# KiCad board PiComputeModuleBreakout.kicad_pcb
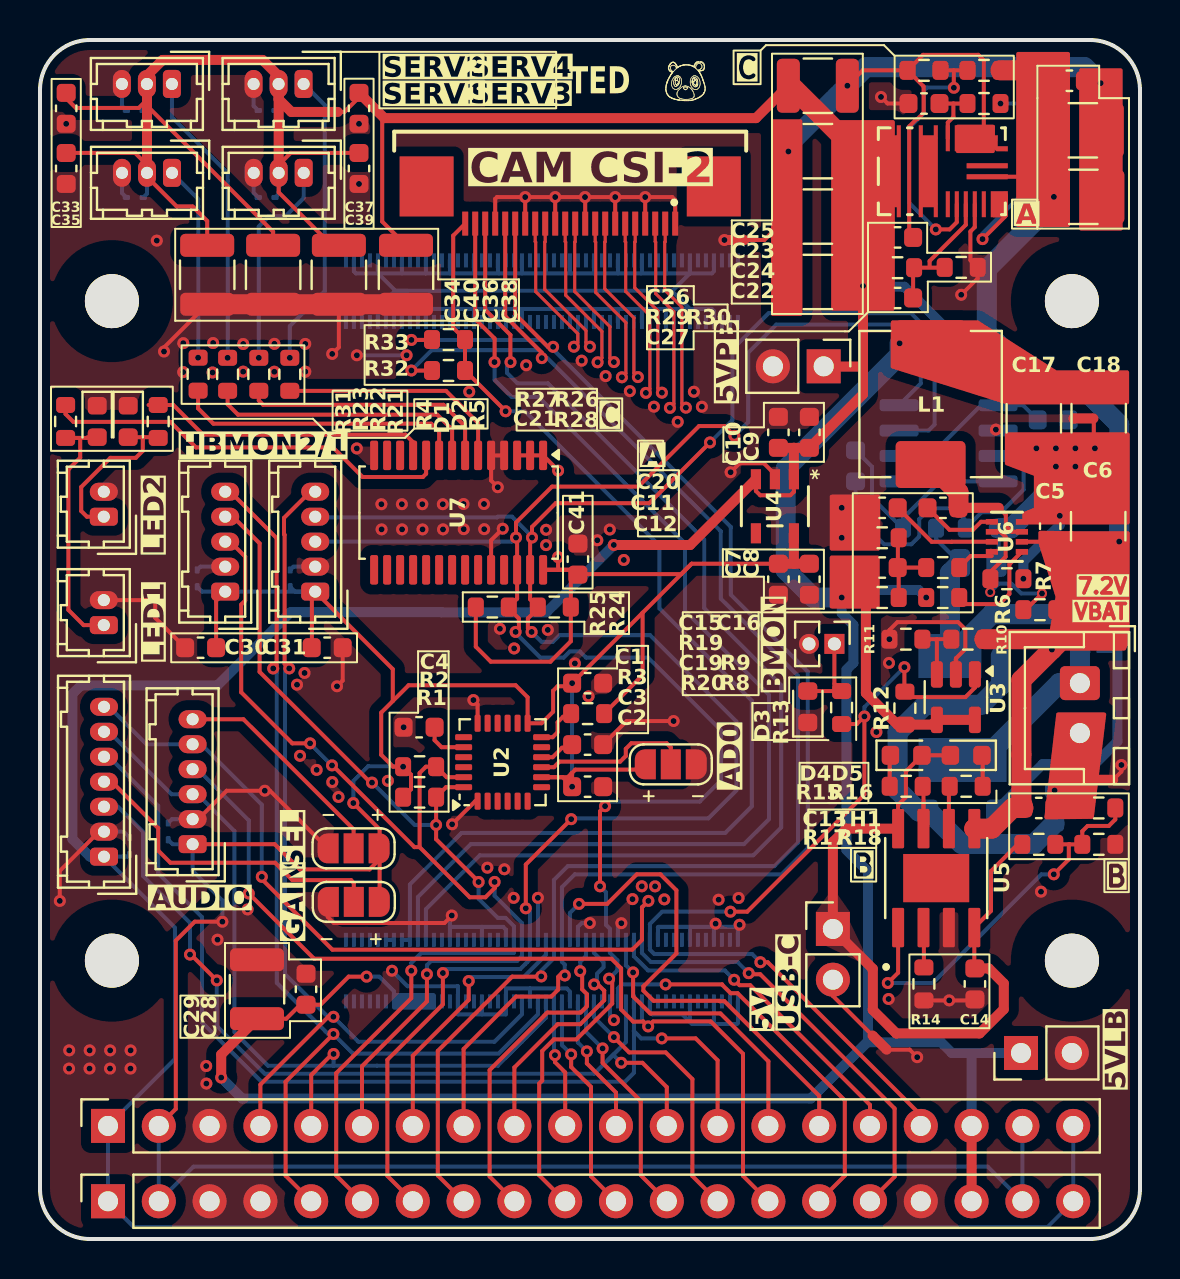
[diagram p0: board, top side]
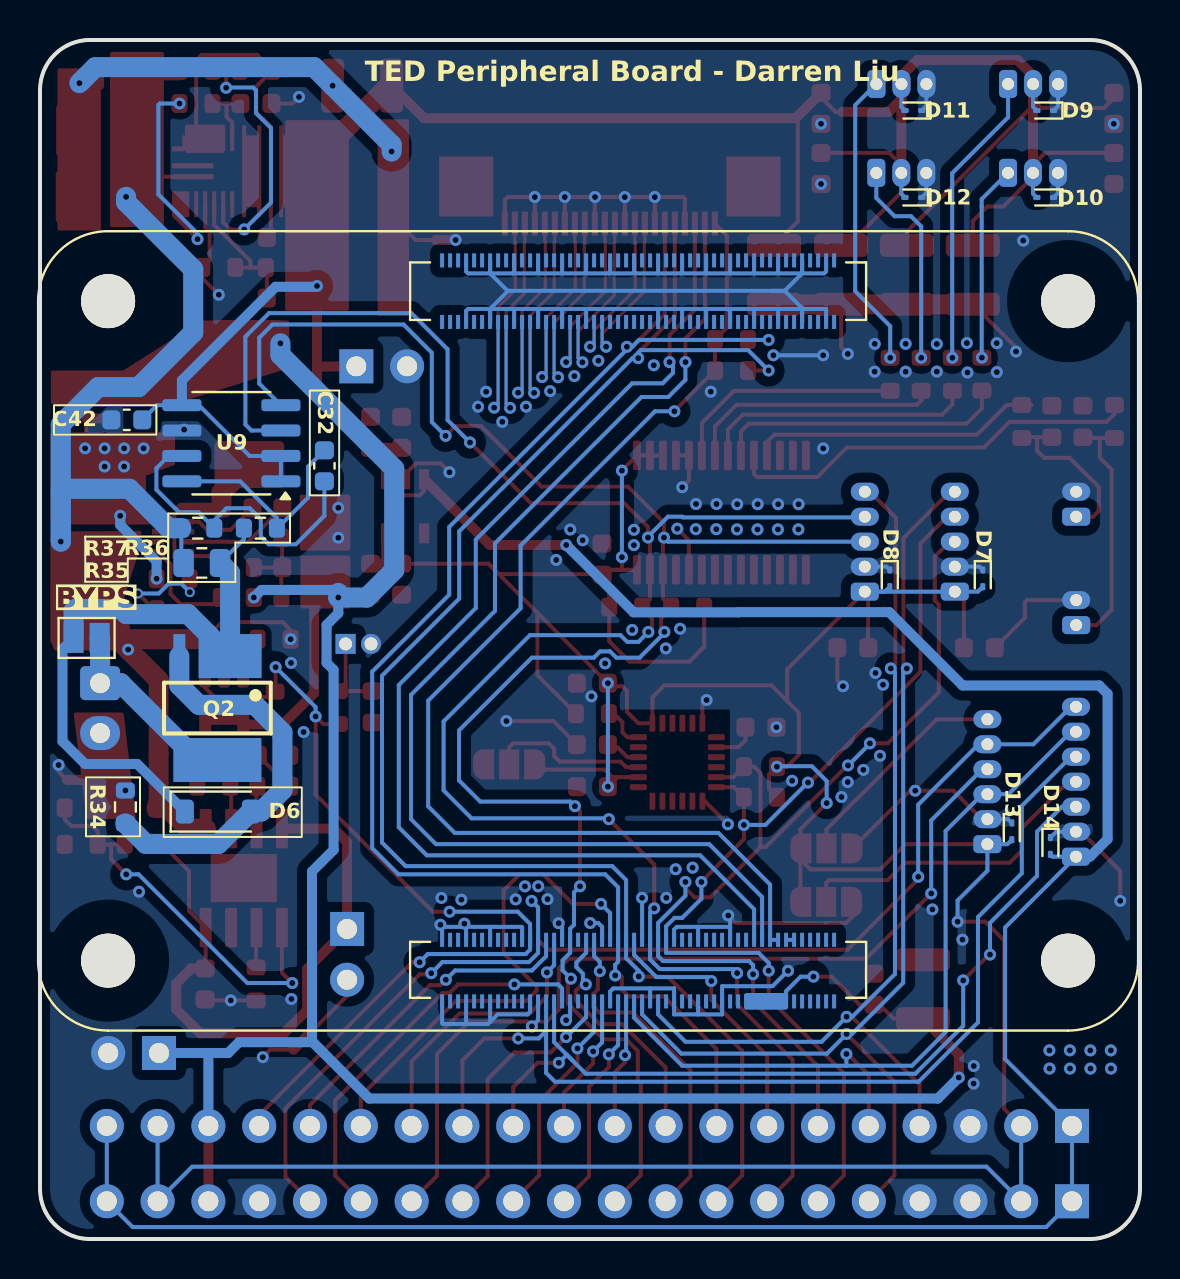
[diagram p1: board, bottom side, seen from below]

Outline 55 x 60 mm; copper layers: Top, In1.Cu, In2.Cu, Bottom. Coordinates in mm from the lower left corner of the outline.
Outline path: 0,57.5 arc(0.73,59.27) 2.5,60 52.5,60 arc(54.27,59.27) 55,57.5 55,2.5 arc(54.27,0.73) 52.5,0 2.5,0 arc(0.73,0.73) 0,2.5 0,57.5
Stack: Top 0.035mm / dielectric 0.1mm FR4 er 4.5 / In1.Cu 0.035mm / dielectric 1.24mm FR4 er 4.5 / In2.Cu 0.035mm / dielectric 0.1mm FR4 er 4.5 / Bottom 0.035mm

## Placement (name value [footprint] x y rotation side)
C1  0.1uF  [C_0603_1608Metric]  27.38 27.81 0 top
C2  0.1uF  [C_0603_1608Metric]  27.38 22.63 180 top
C3  0.1uF  [C_0603_1608Metric]  27.38 24.74 0 top
C4  0.1uF  [C_0603_1608Metric]  18.95 25.61 180 top
C5  0.1uF  [C_0603_1608Metric]  50.51 35.67 90 top
C6  22uF  [C_1210_3225Metric]  52.91 35.67 90 top
C7  1uF  [C_0603_1608Metric]  36.92 33.02 90 top
C8  1uF  [C_0603_1608Metric]  38.47 33.02 90 top
C9  1uF  [C_0603_1608Metric]  38.47 40.37 270 top
C10  1uF  [C_0603_1608Metric]  36.92 40.37 270 top
C11  22uF  [C_1210_3225Metric]  52.14 55.48 0 top
C12  22uF  [C_1210_3225Metric]  52.17 52.15 0 top
C13  10uF  [C_0603_1608Metric]  49.94 21.57 0 top
C14  10uF  [C_0603_1608Metric]  46.74 12.77 270 top
C15  0.1uF  [C_0603_1608Metric]  42.11 36.59 180 top
C16  0.1uF  [C_0603_1608Metric]  45.15 36.59 0 top
C17  22uF  [C_1210_3225Metric]  49.69 41.07 270 top
C18  22uF  [C_1210_3225Metric]  52.94 41.07 270 top
C19  300pF  [C_0603_1608Metric]  42.11 33.6 180 top
C20  0.1uF  [C_0603_1608Metric]  51.47 57.96 0 top
C21  1uF  [C_0603_1608Metric]  44.2 56.82 180 top
C22  22uF  [C_1210_3225Metric]  38.89 47.89 180 top
C23  22uF  [C_1210_3225Metric]  38.89 54.44 180 top
C24  22uF  [C_1210_3225Metric]  38.89 51.16 180 top
C25  22uF  [C_1210_3225Metric]  38.89 57.71 0 top
C26  0.1uF  [C_0603_1608Metric]  42.88 50.12 0 top
C27  39pF  [C_0603_1608Metric]  42.88 47.09 0 top
C28  0.1uF  [C_0603_1608Metric]  13.3 12.5 270 top
C29  1uF  [C_1210_3225Metric]  10.85 12.5 90 top
C30  0.1uF  [C_0603_1608Metric]  8.03 29.59 0 top
C31  0.1uF  [C_0603_1608Metric]  14.36 29.59 180 top
C32  0.1uF  [C_0603_1608Metric]  40.78 38.69 270 bottom
C33  0.1uF  [C_0603_1608Metric]  1.31 56.58 90 top
C34  220uF  [C_1210_3225Metric]  8.36 48.25 270 top
C35  0.1uF  [C_0603_1608Metric]  1.31 53.57 90 top
C36  220uF  [C_1210_3225Metric]  14.94 48.25 270 top
C37  0.1uF  [C_0603_1608Metric]  15.95 56.58 90 top
C38  220uF  [C_1210_3225Metric]  18.3 48.25 270 top
C39  0.1uF  [C_0603_1608Metric]  15.95 53.57 90 top
C40  220uF  [C_1210_3225Metric]  11.66 48.25 270 top
C41  0.1uF  [C_0603_1608Metric]  26.89 34.02 270 top
C42  0.1uF  [C_0603_1608Metric]  50.66 40.99 0 bottom
D1  LED  [LED_0603_1608Metric]  2.86 40.91 270 top
D2  LED  [LED_0603_1608Metric]  4.41 40.91 270 top
D3  LED  [LED_0603_1608Metric]  38.39 26.63 90 top
D4  LED  [LED_0603_1608Metric]  43.31 24.21 0 top
D5  LED  [LED_0603_1608Metric]  46.31 24.21 180 top
D6  MMSD914  [D_SOD-123]  46.11 21.39 180 bottom
D7  ESD9B5.0ST5G  [D_SOD-923]  7.86 33.06 270 bottom
D8  ESD9B5.0ST5G  [D_SOD-923]  12.51 33.06 270 bottom
D9  ESD9B5.0ST5G  [D_SOD-923]  4.74 56.47 0 bottom
D10  ESD9B5.0ST5G  [D_SOD-923]  4.74 52.12 0 bottom
D11  ESD9B5.0ST5G  [D_SOD-923]  11.33 56.47 0 bottom
D12  ESD9B5.0ST5G  [D_SOD-923]  11.33 52.12 0 bottom
D13  ESD9B5.0ST5G  [D_SOD-923]  6.41 20.4 270 bottom
D14  ESD9B5.0ST5G  [D_SOD-923]  4.48 19.67 270 bottom
J1  Conn_01x03_Pin  [Hirose_DF13-03P-1.25DSA_1x03_P1.25mm_Vertical]  6.6 53.35 180 top
J2  Conn_01x03_Pin  [Hirose_DF13-03P-1.25DSA_1x03_P1.25mm_Vertical]  6.59 57.8 180 top
J3  Conn_01x03_Pin  [Hirose_DF13-03P-1.25DSA_1x03_P1.25mm_Vertical]  13.18 53.35 180 top
J4  Conn_01x03_Pin  [Hirose_DF13-03P-1.25DSA_1x03_P1.25mm_Vertical]  13.18 57.8 180 top
J5  Conn_01x05_Pin  [Hirose_DF13-05P-1.25DSA_1x05_P1.25mm_Vertical]  9.26 32.4 90 top
J6  Conn_01x05_Pin  [Hirose_DF13-05P-1.25DSA_1x05_P1.25mm_Vertical]  13.76 32.4 90 top
J7  Conn_01x02_Pin  [PinHeader_1x02_P2.54mm_Vertical]  39.64 15.52 0 top
J8  6871XX14522_68712214522  [68712214522]  26.51 53.16 180 top
J9  Conn_01x20_Socket  [PinSocket_1x20_P2.54mm_Vertical]  3.4 5.66 90 top
J10  Conn_01x02_Pin  [Hirose_DF13-02P-1.25DSA_1x02_P1.25mm_Vertical]  3.19 30.72 90 top
J11  Conn_01x02_Pin  [Hirose_DF13-02P-1.25DSA_1x02_P1.25mm_Vertical]  3.19 36.15 90 top
J12  Conn_01x02_Pin  [JST_XH_B2B-XH-A_1x02_P2.50mm_Vertical]  51.99 27.82 270 top
J13  Conn_01x02_Pin  [PinHeader_1x02_P2.54mm_Vertical]  49.05 9.31 90 top
J14  Conn_01x20_Socket  [PinSocket_1x20_P2.54mm_Vertical]  3.4 1.89 90 top
J15  Conn_01x02_Pin  [PinHeader_1x02_P2.54mm_Vertical]  39.19 43.67 270 top
J16  Conn_01x02_Pin  [PinHeader_1x02_P1.27mm_Vertical]  39.72 29.78 270 top
J18  Conn_01x07_Pin  [Hirose_DF13-07P-1.25DSA_1x07_P1.25mm_Vertical]  3.2 19.13 90 top
J19  Conn_01x06_Pin  [Hirose_DF13-06P-1.25DSA_1x06_P1.25mm_Vertical]  7.63 19.76 90 top
JP1  SolderJumper_3_Open  [SolderJumper-3_P1.3mm_Open_RoundedPad1.0x1.5mm]  31.54 23.75 0 top
JP2  SolderJumper_2_Open  [SolderJumper-2_P1.3mm_Open_Pad1.0x1.5mm]  52.67 30.08 0 bottom
JP6  SolderJumper_3_Open  [SolderJumper-3_P1.3mm_Open_RoundedPad1.0x1.5mm]  15.69 16.87 0 top
JP9  SolderJumper_3_Open  [SolderJumper-3_P1.3mm_Open_RoundedPad1.0x1.5mm]  15.68 19.55 0 top
L1  6.8uH  [L_APV_APH0630]  44.53 41.78 90 top
NT1  NetTie_2  [NetTie-2_SMD_Pad0.5mm]  52.17 41.06 180 top
NT2  NetTie_2  [NetTie-2_SMD_Pad0.5mm]  41.98 9.83 315 top
NT3  NetTie_2  [NetTie-2_SMD_Pad0.5mm]  53.16 22.98 0 top
NT4  NetTie_2  [NetTie-2_SMD_Pad0.5mm]  34.72 49.99 180 top
Q2  FDS4435BZ  [SO08-E3]  46.13 26.57 0 bottom
R1  4.7K  [R_0603_1608Metric]  18.98 22.11 0 top
R2  4.7K  [R_0603_1608Metric]  18.98 23.63 0 top
R3  10K  [R_0603_1608Metric]  27.38 26.29 180 top
R4  4.7K  [R_0603_1608Metric]  1.28 40.91 270 top
R5  4.7K  [R_0603_1608Metric]  5.91 40.91 270 top
R6  191K  [R_0603_1608Metric]  49.99 31.49 0 top
R7  49.9K  [R_0603_1608Metric]  48.34 33.04 180 top
R8  10K  [R_0603_1608Metric]  45.14 32.1 0 top
R9  10K  [R_0603_1608Metric]  45.14 33.6 0 top
R10  10K  [R_0603_1608Metric]  46.39 30.02 0 top
R11  10K  [R_0603_1608Metric]  43.29 30.02 0 top
R12  10K  [R_0603_1608Metric]  43.24 26.57 270 top
R13  4.7K  [R_0603_1608Metric]  40.08 26.59 90 top
R14  1.2K  [R_0603_1608Metric]  44.19 12.77 90 top
R15  1K  [R_0603_1608Metric]  43.31 22.66 0 top
R16  1K  [R_0603_1608Metric]  46.31 22.66 180 top
R17  10K  [R_0603_1608Metric]  49.94 19.75 0 top
R18  6.2K  [R_0603_1608Metric]  52.94 19.75 0 top
R19  10K  [R_0603_1608Metric]  42.11 35.09 180 top
R20  90.9K  [R_0603_1608Metric]  42.11 32.1 0 top
R21  100R  [R_0603_1608Metric]  12.49 43.27 90 top
R22  100R  [R_0603_1608Metric]  10.94 43.27 90 top
R23  100R  [R_0603_1608Metric]  9.38 43.27 90 top
R24  4.7K  [R_0603_1608Metric]  25.71 31.62 0 top
R25  4.7K  [R_0603_1608Metric]  22.61 31.62 180 top
R26  499K  [R_0603_1608Metric]  47.2 58.48 0 top
R27  0R  [R_0603_1608Metric]  44.2 58.48 0 top
R28  100K  [R_0603_1608Metric]  47.2 56.82 0 top
R29  49.9K  [R_0603_1608Metric]  42.88 48.6 180 top
R30  6.2K  [R_0603_1608Metric]  46.06 48.62 180 top
R31  100R  [R_0603_1608Metric]  7.91 43.28 90 top
R32  0R  [R_0603_1608Metric]  20.42 43.46 180 top
R33  0R  [R_0603_1608Metric]  20.42 45.01 0 top
R34  100K  [R_0603_1608Metric]  50.73 21.62 90 bottom
R35  10m  [R_0805_2012Metric]  46.91 33.83 0 bottom
R36  47R  [R_0603_1608Metric]  43.98 35.57 180 bottom
R37  47R  [R_0603_1608Metric]  47.11 35.57 180 bottom
TH1  Thermistor_NTC - 10K  [R_0603_1608Metric]  52.94 21.57 0 top
U1  CM4102008  [Raspberry-Pi-5-Compute-Module]  3.59 13.93 90 bottom
U2  MPU-6050  [InvenSense_QFN-24_4x4mm_P0.5mm]  23.13 23.86 90 top
U3  TLV7031DBV  [SOT-23-5]  45.79 27.12 270 top
U4  AP2112K-3.3TRG1  [SOT_RG1_DIO]  36.74 36.67 270 top
U5  TP4056  [SOP127P600X175-9N]  44.81 18.06 90 top
U6  MP2338GTL-Z  [SOT583_MP2338_MNP]  48.35 35.14 180 top
U7  PCA9685PW  [TSSOP-28_4.4x9.7mm_P0.65mm]  20.93 36.35 270 top
U8  MPM3650GQW-Z  [QFN-24_MPM3650_MNP]  45.09 53.43 270 top
U9  INA219AxD  [SOIC-8_3.9x4.9mm_P1.27mm]  45.43 39.82 0 bottom

## Library data of the parts
C1-C12 C15-C31 C33-C41 = -: Description: Unpolarized capacitor, small symbol; ki_fp_filters: C_*
C13 C14 C32 C42 = -: Description: Unpolarized capacitor; ki_fp_filters: C_*
D1-D5 = -: Description: Light emitting diode; ki_fp_filters: LED* LED_SMD:* LED_THT:*
D6 = -: Datasheet: https://www.onsemi.com/pub/Collateral/MMSD914T1-D.PDF; Description: 100V 0.2A Switching Diode, SOD-123; Sim.Device: D; Sim.Pins: 1=K 2=A; ki_fp_filters: D*SOD?123*
D7-D14 = -: Datasheet: https://www.onsemi.com/pub/Collateral/ESD9B-D.PDF; Description: ESD protection diode, 5.0Vrwm, SOD-923; ki_fp_filters: D*SOD?923*
J1-J4 = -: Description: Generic connector, single row, 01x03, script generated; ki_fp_filters: Connector*:*_1x??_*
J5 J6 = -: Description: Generic connector, single row, 01x05, script generated; ki_fp_filters: Connector*:*_1x??_*
J7 J10-J13 J15 J16 = -: Description: Generic connector, single row, 01x02, script generated; ki_fp_filters: Connector*:*_1x??_*
J9 J14 = -: Description: Generic connector, single row, 01x20, script generated; ki_fp_filters: Connector*:*_1x??_*
J18 = -: Description: Generic connector, single row, 01x07, script generated; ki_fp_filters: Connector*:*_1x??_*
J19 = -: Description: Generic connector, single row, 01x06, script generated; ki_fp_filters: Connector*:*_1x??_*
JP1 JP6 JP9 = -: Description: Solder Jumper, 3-pole, open; ki_fp_filters: SolderJumper*Open*
JP2 = -: Description: Solder Jumper, 2-pole, open; ki_fp_filters: SolderJumper*Open*
L1 = -: Description: Inductor; ki_fp_filters: Choke_* *Coil* Inductor_* L_*
NT1-NT4 = -: Description: Net tie, 2 pins; ki_fp_filters: Net*Tie*
R1-R37 = -: Description: Resistor; ki_fp_filters: R_*
TH1 = -: Description: Temperature dependent resistor, negative temperature coefficient; ki_fp_filters: *NTC* *Thermistor* PIN?ARRAY* bornier* *Terminal?Block* R_*
U1 = -: MF: Raspberry Pi; MAXIMUM_PACKAGE_HEIGHT: 5.188 mm; Package: None; Price: None; Check_prices: https://www.snapeda.com/parts/CM4102008/Raspberry+Pi/view-part/?ref=eda; STANDARD: Manufacturer Recommendations; PARTREV: 2021-10-12; SnapEDA_Link: https://www.snapeda.com/parts/CM4102008/Raspberry+Pi/view-part/?ref=snap; Description_1: Raspberry Pi Compute Module 4 with WiFi 2GB RAM 8GB Flash | Raspberry Pi CM4102008; Availability: In Stock; MANUFACTURER: Raspberry Pi
U2 = -: Datasheet: https://invensense.tdk.com/wp-content/uploads/2015/02/MPU-6000-Datasheet1.pdf; Description: InvenSense 6-Axis Motion Sensor, Gyroscope, Accelerometer, I2C; ki_fp_filters: *QFN*4x4mm*P0.5mm*
U3 = -: Datasheet: https://www.ti.com/lit/ds/symlink/tlv7031.pdf; Description: Single, 1.6V-6.5V, 315nA Quiescent, Push-Pull Output, Comparator, SOT-23-5/SC-70; ki_fp_filters: SOT?23*
U4 = -: ki_fp_filters: SOT_RG1_DIO SOT_RG1_DIO-M SOT_RG1_DIO-L
U5 = -: MF: NanJing Top Power ASIC Corp.; MAXIMUM_PACKAGE_HEIGHT: 1.75mm; Package: Package; Price: None; Check_prices: https://www.snapeda.com/parts/TP4056/NanJing+Top+Power+ASIC+Corp./view-part/?ref=eda; STANDARD: IPC 7351B; SnapEDA_Link: https://www.snapeda.com/parts/TP4056/NanJing+Top+Power+ASIC+Corp./view-part/?ref=snap; Description_1: Complete single cell Li-Ion battery with a constant current / constant voltage linear charger; Availability: Not in stock; MANUFACTURER: NanJing Top Power ASIC Corp.
U6 = -: Datasheet: https://www.monolithicpower.com/en/documentview/productdocument/index/version/2/document_type/Datasheet/lang/en/sku/MP2338GTL; ki_fp_filters: SOT583_MP2338_MNP SOT583_MP2338_MNP-M SOT583_MP2338_MNP-L
U7 = -: Datasheet: http://www.nxp.com/docs/en/data-sheet/PCA9685.pdf; Description: 16-channel 12-bit PWM Fm+ I2C-bus LED controller RGBA TSSOP; ki_fp_filters: TSSOP*4.4x9.7mm*P0.65mm*
U8 = -: Datasheet: https://www.monolithicpower.com/en/documentview/productdocument/index/version/2/document_type/Datasheet/lang/en/sku/MPM3650GQW-Z; ki_fp_filters: QFN-24_MPM3650_MNP
U9 = -: Datasheet: http://www.ti.com/lit/ds/symlink/ina219.pdf; Description: Zero-Drift, Bidirectional Current/Power Monitor (0-26V) With I2C Interface, SOIC-8; ki_fp_filters: SOIC*3.9x4.9mm*P1.27mm*

## Footprints (pads in the part's own frame, mm; a bottom-side part is the same pattern mirrored in y, then rotated)
68712214522
  rect 0.3x1.2 smd: 1(-5.25,2.35) 2(-4.75,2.35) 3(-4.25,2.35) 4(-3.75,2.35) 5(-3.25,2.35) 6(-2.75,2.35) 7(-2.25,2.35) 8(-1.75,2.35) 9(-1.25,2.35) 10(-0.75,2.35) 11(-0.25,2.35) 12(0.25,2.35) 13(0.75,2.35) 14(1.25,2.35) 15(1.75,2.35) 16(2.25,2.35) 17(2.75,2.35) 18(3.25,2.35) 19(3.75,2.35) 20(4.25,2.35) 21(4.75,2.35) 22(5.25,2.35)
  rect 2.7x3 smd: Z1(-7.18,0.49) Z2(7.18,0.49)
C_0603_1608Metric
  rrect 0.9x0.95 smd: 1(-0.775,0) 2(0.775,0)
C_1210_3225Metric
  rrect 1.15x2.7 smd: 1(-1.475,0) 2(1.475,0)
D_SOD-123
  rrect 0.9x1.2 smd: 1(-1.65,0) 2(1.65,0)
D_SOD-923
  rrect 0.36x0.25 smd: 1(-0.42,0) 2(0.42,0)
Hirose_DF13-02P-1.25DSA_1x02_P1.25mm_Vertical
  rrect 0.9x1.4 hole 0.6: 1(0,0)
  oval 0.9x1.4 hole 0.6: 2(1.25,0)
Hirose_DF13-03P-1.25DSA_1x03_P1.25mm_Vertical
  rrect 0.9x1.4 hole 0.6: 1(0,0)
  oval 0.9x1.4 hole 0.6: 2(1.25,0) 3(2.5,0)
Hirose_DF13-05P-1.25DSA_1x05_P1.25mm_Vertical
  rrect 0.9x1.4 hole 0.6: 1(0,0)
  oval 0.9x1.4 hole 0.6: 2(1.25,0) 3(2.5,0) 4(3.75,0) 5(5,0)
Hirose_DF13-06P-1.25DSA_1x06_P1.25mm_Vertical
  rrect 0.9x1.4 hole 0.6: 1(0,0)
  oval 0.9x1.4 hole 0.6: 2(1.25,0) 3(2.5,0) 4(3.75,0) 5(5,0) 6(6.25,0)
Hirose_DF13-07P-1.25DSA_1x07_P1.25mm_Vertical
  rrect 0.9x1.4 hole 0.6: 1(0,0)
  oval 0.9x1.4 hole 0.6: 2(1.25,0) 3(2.5,0) 4(3.75,0) 5(5,0) 6(6.25,0) 7(7.5,0)
InvenSense_QFN-24_4x4mm_P0.5mm
  rrect 0.85x0.3 smd: 1(-1.95,1.25) 2(-1.95,0.75) 3(-1.95,0.25) 4(-1.95,-0.25) 5(-1.95,-0.75) 6(-1.95,-1.25) 13(1.95,-1.25) 14(1.95,-0.75) 15(1.95,-0.25) 16(1.95,0.25) 17(1.95,0.75) 18(1.95,1.25)
  rrect 0.3x0.85 smd: 7(-1.25,-1.95) 8(-0.75,-1.95) 9(-0.25,-1.95) 10(0.25,-1.95) 11(0.75,-1.95) 12(1.25,-1.95) 19(1.25,1.95) 20(0.75,1.95) 21(0.25,1.95) 22(-0.25,1.95) 23(-0.75,1.95) 24(-1.25,1.95)
JST_XH_B2B-XH-A_1x02_P2.50mm_Vertical
  rrect 1.7x2 hole 1: 1(0,0)
  oval 1.7x2 hole 1: 2(2.5,0)
L_APV_APH0630
  rrect 2.35x3.5 smd: 1(-3.025,0) 2(3.025,0)
LED_0603_1608Metric
  rrect 0.875x0.95 smd: 1(-0.788,0) 2(0.788,0)
NetTie-2_SMD_Pad0.5mm
  round 0.5 smd: 1(-0.5,0) 2(0.5,0)
PinHeader_1x02_P1.27mm_Vertical
  rect 1x1 hole 0.65: 1(0,0)
  oval 1x1 hole 0.65: 2(0,-1.27)
PinHeader_1x02_P2.54mm_Vertical
  rect 1.7x1.7 hole 1: 1(0,0)
  oval 1.7x1.7 hole 1: 2(0,-2.54)
PinSocket_1x20_P2.54mm_Vertical
  rect 1.7x1.7 hole 1: 1(0,0)
  oval 1.7x1.7 hole 1: 2(0,-2.54) 3(0,-5.08) 4(0,-7.62) 5(0,-10.16) 6(0,-12.7) 7(0,-15.24) 8(0,-17.78) 9(0,-20.32) 10(0,-22.86) 11(0,-25.4) 12(0,-27.94) 13(0,-30.48) 14(0,-33.02) 15(0,-35.56) 16(0,-38.1) 17(0,-40.64) 18(0,-43.18) 19(0,-45.72) 20(0,-48.26)
QFN-24_MPM3650_MNP
  rect 0.127x0.127 smd: 1(-1.65,2.55) 7(-1.65,-0.3) 8(-1.65,-1.05) 9(-1.65,-2.15) 10(-1.125,-3.046) 11(1.125,-3.046) 12(1.65,-2.15) 13(1.65,-1.05) 14(1.65,-0.3) 20(1.65,2.55) 21(1.125,3.046) 24(-1.125,3.046)
  rect 1.295x0.203 smd: 2(-1.65,2.1) 3(-1.65,1.65) 4(-1.65,1.2) 5(-1.65,0.75) 6(-1.65,0.3) 15(1.65,0.3) 16(1.65,0.75) 17(1.65,1.2) 18(1.65,1.65) 19(1.65,2.1)
  rect 0.254x2.057 smd: 22(0.275,2.271) 23(-0.275,2.271)
R_0603_1608Metric
  rrect 0.8x0.95 smd: 1(-0.825,0) 2(0.825,0)
R_0805_2012Metric
  rrect 1.025x1.4 smd: 1(-0.912,0) 2(0.912,0)
Raspberry-Pi-5-Compute-Module
  round 2.7 hole 2.7 unplated: (0,0) (0,48) (33,0) (33,48)
  rect 0.7x0.2 smd: 1(-2.04,31.3) 2(1.04,31.3) 3(-2.04,30.9) 4(1.04,30.9) 5(-2.04,30.5) 6(1.04,30.5) 7(-2.04,30.1) 8(1.04,30.1) 9(-2.04,29.7) 10(1.04,29.7) 11(-2.04,29.3) 12(1.04,29.3) 13(-2.04,28.9) 14(1.04,28.9) 15(-2.04,28.5) 16(1.04,28.5) 17(-2.04,28.1) 18(1.04,28.1) 19(-2.04,27.7) 20(1.04,27.7) 21(-2.04,27.3) 22(1.04,27.3) 23(-2.04,26.9) 24(1.04,26.9) 25(-2.04,26.5) 26(1.04,26.5) 27(-2.04,26.1) 28(1.04,26.1) 29(-2.04,25.7) 30(1.04,25.7) 31(-2.04,25.3) 32(1.04,25.3) 33(-2.04,24.9) 34(1.04,24.9) 35(-2.04,24.5) 36(1.04,24.5) 37(-2.04,24.1) 38(1.04,24.1) 39(-2.04,23.7) 40(1.04,23.7) 41(-2.04,23.3) 42(1.04,23.3) 43(-2.04,22.9) 44(1.04,22.9) 45(-2.04,22.5) 46(1.04,22.5) 47(-2.04,22.1) 48(1.04,22.1) 49(-2.04,21.7) 50(1.04,21.7) 51(-2.04,21.3) 52(1.04,21.3) 53(-2.04,20.9) 54(1.04,20.9) 55(-2.04,20.5) 56(1.04,20.5) 57(-2.04,20.1) 58(1.04,20.1) 59(-2.04,19.7) 60(1.04,19.7) 61(-2.04,19.3) 62(1.04,19.3) 63(-2.04,18.9) 64(1.04,18.9) 65(-2.04,18.5) 66(1.04,18.5) 67(-2.04,18.1) 68(1.04,18.1) 69(-2.04,17.7) 70(1.04,17.7) 71(-2.04,17.3) 72(1.04,17.3) 73(-2.04,16.9) 74(1.04,16.9) 75(-2.04,16.5) 76(1.04,16.5) 77(-2.04,16.1) 78(1.04,16.1) 79(-2.04,15.7) 80(1.04,15.7) 81(-2.04,15.3) 82(1.04,15.3) 83(-2.04,14.9) 84(1.04,14.9) 85(-2.04,14.5) 86(1.04,14.5) 87(-2.04,14.1) 88(1.04,14.1) 89(-2.04,13.7) 90(1.04,13.7) 91(-2.04,13.3) 92(1.04,13.3) 93(-2.04,12.9) 94(1.04,12.9) 95(-2.04,12.5) 96(1.04,12.5) 97(-2.04,12.1) 98(1.04,12.1) 99(-2.04,11.7) 100(1.04,11.7) 101(31.96,31.3) 102(35.04,31.3) 103(31.96,30.9) 104(35.04,30.9) 105(31.96,30.5) 106(35.04,30.5) 107(31.96,30.1) 108(35.04,30.1) 109(31.96,29.7) 110(35.04,29.7) 111(31.96,29.3) 112(35.04,29.3) 113(31.96,28.9) 114(35.04,28.9) 115(31.96,28.5) 116(35.04,28.5) 117(31.96,28.1) 118(35.04,28.1) 119(31.96,27.7) 120(35.04,27.7) 121(31.96,27.3) 122(35.04,27.3) 123(31.96,26.9) 124(35.04,26.9) 125(31.96,26.5) 126(35.04,26.5) 127(31.96,26.1) 128(35.04,26.1) 129(31.96,25.7) 130(35.04,25.7) 131(31.96,25.3) 132(35.04,25.3) 133(31.96,24.9) 134(35.04,24.9) 135(31.96,24.5) 136(35.04,24.5) 137(31.96,24.1) 138(35.04,24.1) 139(31.96,23.7) 140(35.04,23.7) 141(31.96,23.3) 142(35.04,23.3) 143(31.96,22.9) 144(35.04,22.9) 145(31.96,22.5) 146(35.04,22.5) 147(31.96,22.1) 148(35.04,22.1) 149(31.96,21.7) 150(35.04,21.7) 151(31.96,21.3) 152(35.04,21.3) 153(31.96,20.9) 154(35.04,20.9) 155(31.96,20.5) 156(35.04,20.5) 157(31.96,20.1) 158(35.04,20.1) 159(31.96,19.7) 160(35.04,19.7) 161(31.96,19.3) 162(35.04,19.3) 163(31.96,18.9) 164(35.04,18.9) 165(31.96,18.5) 166(35.04,18.5) 167(31.96,18.1) 168(35.04,18.1) 169(31.96,17.7) 170(35.04,17.7) 171(31.96,17.3) 172(35.04,17.3) 173(31.96,16.9) 174(35.04,16.9) 175(31.96,16.5) 176(35.04,16.5) 177(31.96,16.1) 178(35.04,16.1) 179(31.96,15.7) 180(35.04,15.7) 181(31.96,15.3) 182(35.04,15.3) 183(31.96,14.9) 184(35.04,14.9) 185(31.96,14.5) 186(35.04,14.5) 187(31.96,14.1) 188(35.04,14.1) 189(31.96,13.7) 190(35.04,13.7) 191(31.96,13.3) 192(35.04,13.3) 193(31.96,12.9) 194(35.04,12.9) 195(31.96,12.5) 196(35.04,12.5) 197(31.96,12.1) 198(35.04,12.1) 199(31.96,11.7) 200(35.04,11.7)
SO08-E3
  rect 3.15x2.2 smd: 1-3(-0.635,-2.6)
  rect 0.6x2.2 smd: 4(1.905,-2.6)
  rect 4.4x2.2 smd: 5-8(0,2.6)
SOIC-8_3.9x4.9mm_P1.27mm
  rrect 1.95x0.6 smd: 1(-2.475,1.905) 2(-2.475,0.635) 3(-2.475,-0.635) 4(-2.475,-1.905) 5(2.475,-1.905) 6(2.475,-0.635) 7(2.475,0.635) 8(2.475,1.905)
SolderJumper-2_P1.3mm_Open_Pad1.0x1.5mm
  rect 1x1.5 smd: 1(-0.65,0) 2(0.65,0)
SolderJumper-3_P1.3mm_Open_RoundedPad1.0x1.5mm
  custom 1.05x1.5 smd: 1(-1.3,0) 3(1.3,0)
  rect 1x1.5 smd: 2(0,0)
SOP127P600X175-9N
  rrect 1.97x0.6 smd: 1(-2.475,1.905) 2(-2.475,0.635) 3(-2.475,-0.635) 4(-2.475,-1.905) 5(2.475,-1.905) 6(2.475,-0.635) 7(2.475,0.635) 8(2.475,1.905)
  rect 2.413x3.302 smd: 9(0,0)
SOT583_MP2338_MNP
  rect 0.61x0.279 smd: 1(-0.749,0.75) 2(-0.749,0.25) 3(-0.749,-0.25) 4(-0.749,-0.75) 5(0.749,-0.75) 6(0.749,-0.25) 7(0.749,0.25) 8(0.749,0.75)
SOT-23-5
  rrect 1.325x0.6 smd: 1(-1.137,0.95) 2(-1.137,0) 3(-1.137,-0.95) 4(1.137,-0.95) 5(1.137,0.95)
SOT_RG1_DIO
  rect 1.003x0.508 smd: 1(-1.353,0.95) 2(-1.353,0) 3(-1.353,-0.95) 4(1.353,-0.95) 5(1.353,0.95)
TSSOP-28_4.4x9.7mm_P0.65mm
  rrect 1.475x0.4 smd: 1(-2.862,4.225) 2(-2.862,3.575) 3(-2.862,2.925) 4(-2.862,2.275) 5(-2.862,1.625) 6(-2.862,0.975) 7(-2.862,0.325) 8(-2.862,-0.325) 9(-2.862,-0.975) 10(-2.862,-1.625) 11(-2.862,-2.275) 12(-2.862,-2.925) 13(-2.862,-3.575) 14(-2.862,-4.225) 15(2.862,-4.225) 16(2.862,-3.575) 17(2.862,-2.925) 18(2.862,-2.275) 19(2.862,-1.625) 20(2.862,-0.975) 21(2.862,-0.325) 22(2.862,0.325) 23(2.862,0.975) 24(2.862,1.625) 25(2.862,2.275) 26(2.862,2.925) 27(2.862,3.575) 28(2.862,4.225)
